# Altium PCB braking_io.PcbDoc (part 1 of 4) (continued)
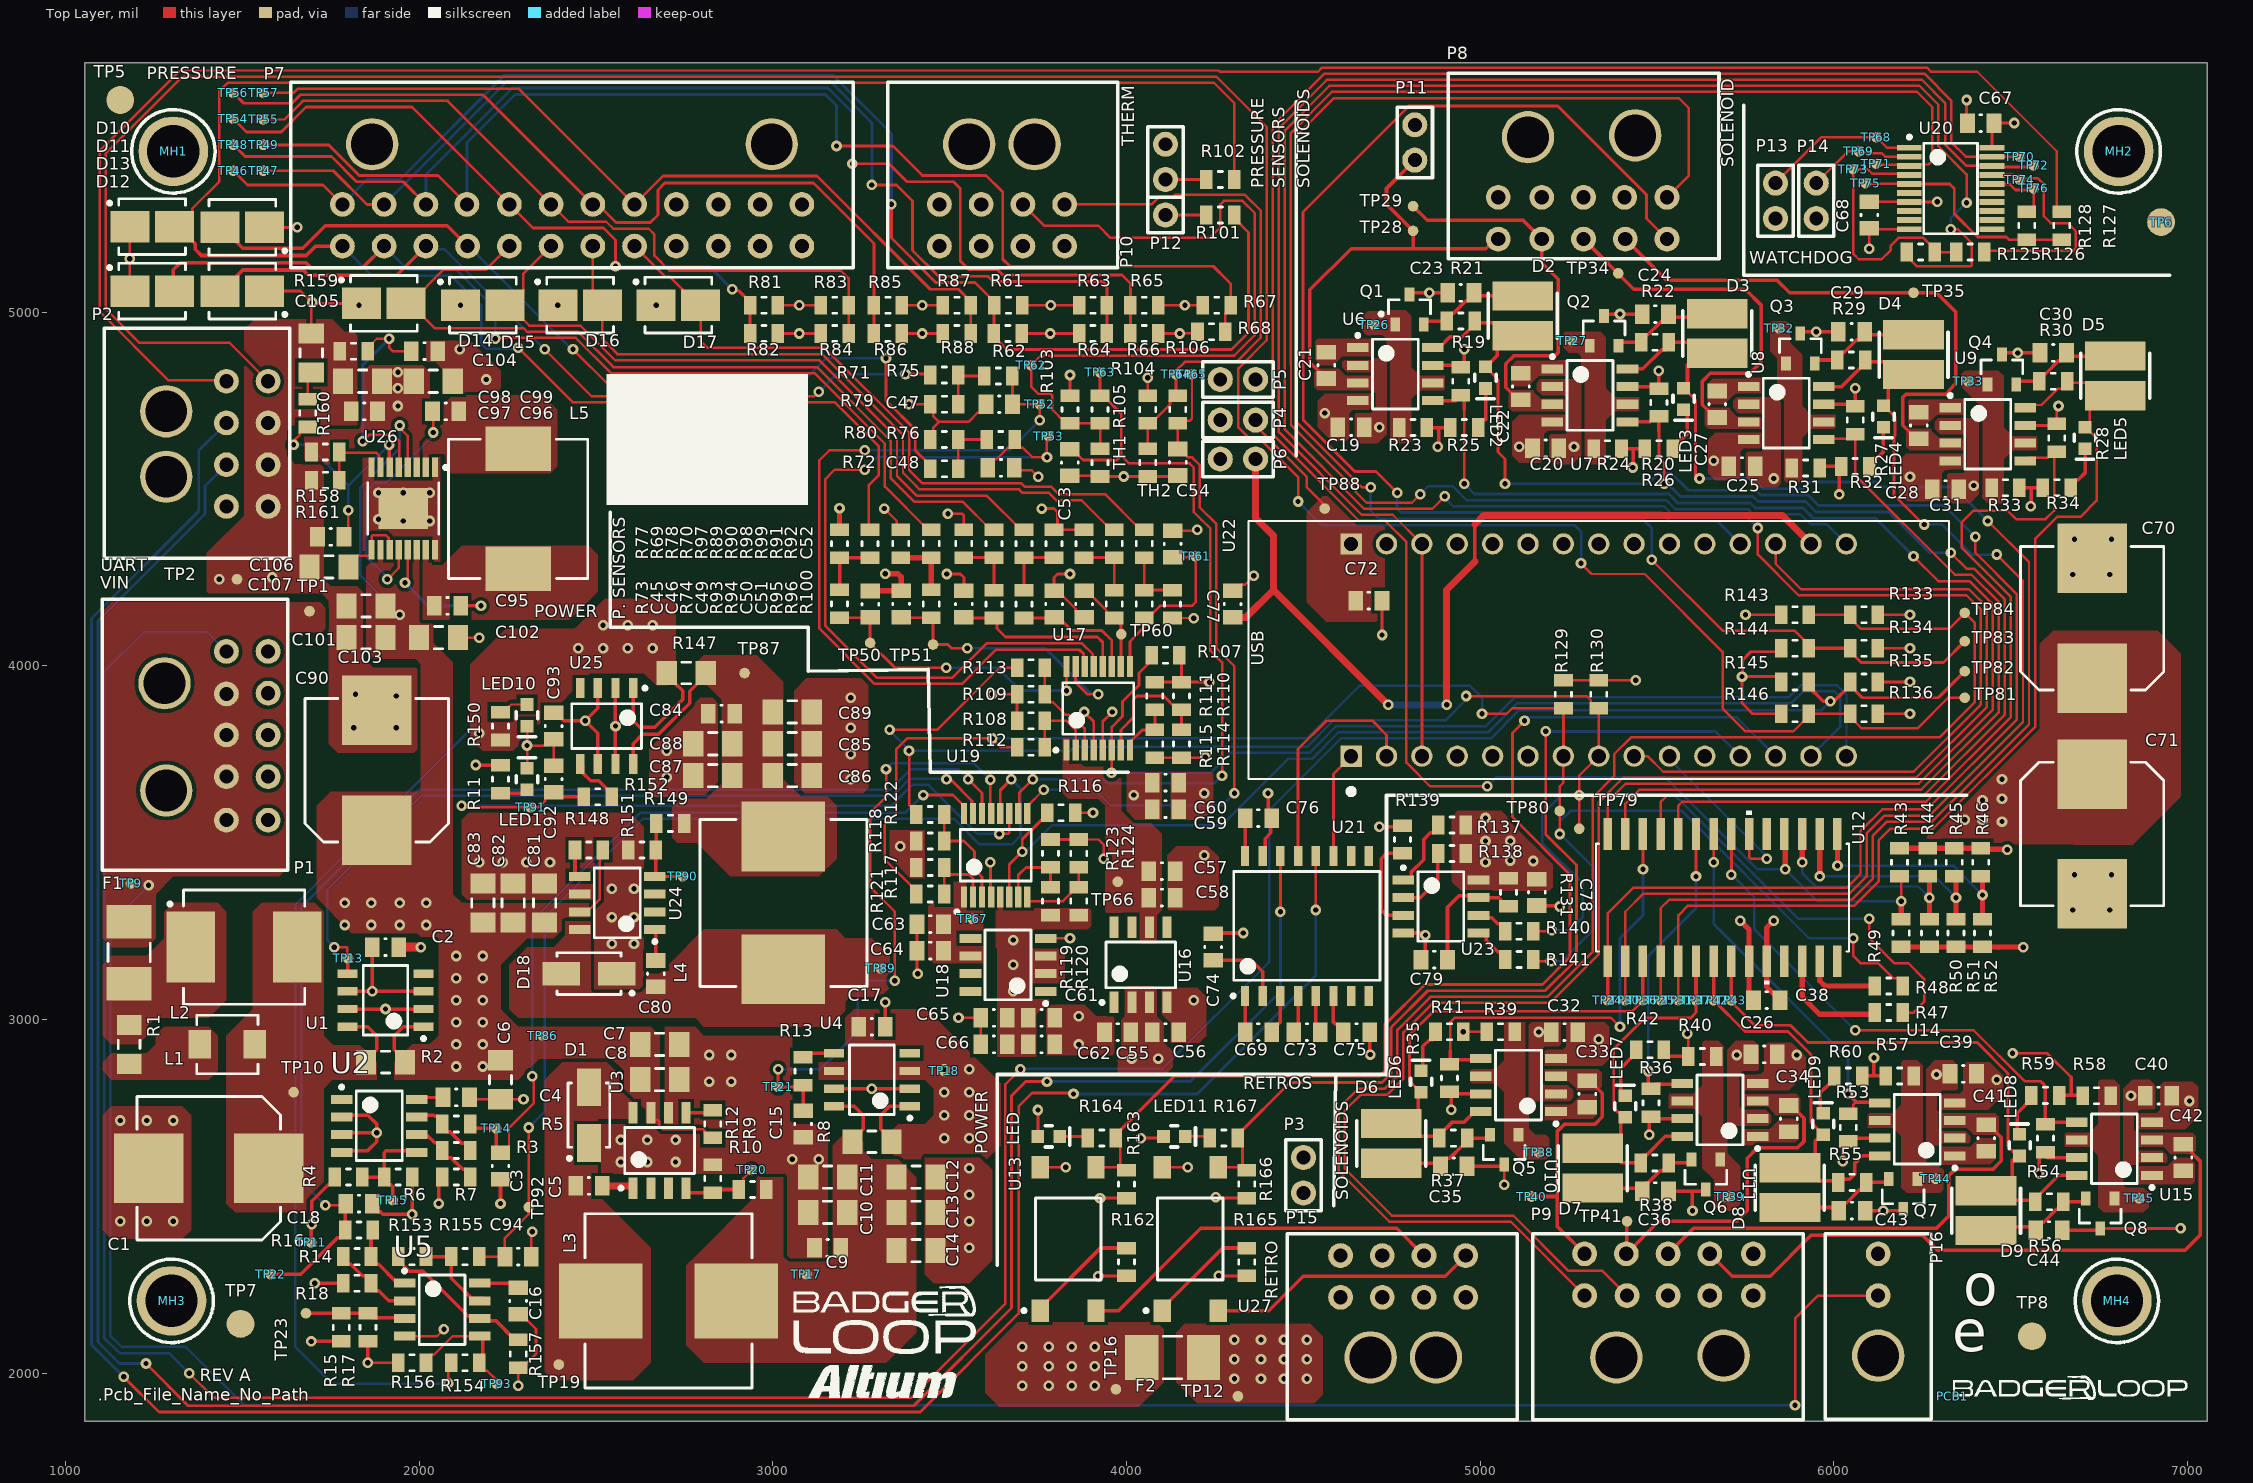
[diagram p0: Top Layer view]
## Components (designator, comment, footprint, x,y, rotation, side; value= is the part's Value field where it differs from the comment) (continued)
U26 "LTC3114-1" TSOP65P640X110_HS-17N 1955,4445 r270 top
U27 "TPC817" SOT200P1005X328-5N 4180,2380 r90 top

## Footprints (in the part's own frame and the unit in brackets; to place one, negate y for a bottom-side part, rotate by r counter-clockwise, add the part's x,y. Pads: shape width x height; smd on the part's side, far side on the other; paste and mask are expansions set on the pad)
2mm_Fiducial [mm]
  round 2 smd: 1(0,0)
430450200 [mil]
  round 70 hole 40: 1(0,170) 2(0,288)
  round 148 hole 118: 3(0,0)
  silkscreen extent -150,-180 150,345, body extent -141,-185 141,297, height 340
430450800 [mil]
  round 70 hole 40: 1(84,170) 2(-34,170) 3(-152,170) 4(-270,170) 5(84,288) 6(-34,288) 7(-152,288) 8(-270,288)
  round 148 hole 118: 9(-185,0) 9(0,0)
  silkscreen extent -420,-176 230,349, body extent -413,-180 223,302, height 340
430451000 [mil]
  round 70 hole 40: 1(84,170) 2(-39,170) 3(-157,170) 4(-273,170) 5(-393,170) 6(84,288) 7(-39,288) 8(-157,288) 9(-275,288) 10(-393,288)
  round 148 hole 118: 11(-303,-5) 11(0,0)
  silkscreen extent -540,-181 225,344, body extent -532,-180 222,302, height 340
430452400 [mil]
  round 70 hole 40: 1(84,170) 2(-34,170) 3(-152,170) 4(-268,170) 5(-388,170) 6(-506,170) 7(-624,170) 8(-742,170) 9(-860,170) 10(-979,170) 11(-1097,170) 12(-1215,170) 13(84,288) 14(-34,288) 15(-152,288) 16(-270,288) 17(-388,288) 18(-506,288) 19(-624,288) 20(-742,288) 21(-860,288) 22(-979,288) 23(-1097,288) 24(-1215,288)
  round 148 hole 118: 21(-1130,0) 21(0,0)
  silkscreen extent -1360,-176 230,349, body extent -1350,-176 231,306, height 340
CAPAE110103X126M [mm] "Aluminum Electrolytic Capacitor, Body 10.30x10.30x12.60mm, IPC Low Density"
  rect 5x5 smd: 1(-4.3,0) 2(4.3,0)
  silkscreen extent -5.15,-5.15 5.15,5.15, body extent -5.5,-5.15 5.5,5.15, height 12.6
DIOM4326X20N [mm] "Molded Diode, 2-Leads, Body 4.30x2.61mm, IPC Medium Density"
  rect 2.7x1.7 smd: 1(-2,0) 2(2,0)
  silkscreen extent -3.22,-1.5 2.3,1.52, body extent -2.52,-1.46 2.52,1.46, height 1.96
DIOM4436X26N [mm] "Molded Diode, 2-Leads, Body 4.40x3.62mm, IPC Medium Density"
  rect 2.8x2.26 smd: 1(-1.6,0) 2(1.6,0)
  silkscreen extent -3.17,-2 2.4,2, body extent -2.6,-1.97 2.6,1.97, height 2.61
INDM3838X18N [mm] "Molded Inductor, 2-Leads, Body 3.80x3.80mm, IPC Medium Density"
  rect 2.1x4.35 smd: 1(-1.425,0) 2(1.425,0)
  silkscreen extent -1.62,-2.48 1.62,2.48, body extent -2.12,-2.12 2.12,2.12, height 1.8
INDM4442X20N [mm] "Molded Inductor, 2-Leads, Body 4.40x4.20mm, IPC Medium Density"
  rect 1.6x2.05 smd: 1(-1.975,0) 2(1.975,0)
  silkscreen extent -2.2,-2.1 2.2,2.1, body extent -2.42,-2.1 2.42,2.1, height 2
INDM8682X40N [mm] "Molded Inductor, 2-Leads, Body 8.64x8.18mm, IPC Medium Density"
  rect 3.5x5.1 smd: 1(-3.825,0) 2(3.825,0)
  silkscreen extent -5.45,-4.1 4.35,4.1, body extent -4.54,-4.09 4.54,4.09, height 4
INDM120120X100N [mm] "Molded Inductor, 2-Leads, Body 12.00x12.00mm, IPC Medium Density"
  rect 5x6 smd: 1(-4.775,0) 2(4.775,0)
  silkscreen extent -6,-6 6,6, body extent -6.22,-6 6.22,6, height 10
INDM120125X75N [mm] "Molded Inductor, 2-Leads, Body 12.00x12.50mm, IPC Medium Density"
  rect 6x5.4 smd: 1(-4.85,0) 2(4.85,0)
  silkscreen extent -6,-6.25 6,6.25, body extent -6.22,-6.25 6.22,6.25, height 7.5
INDP100100X38N [mm]
  rect 3.2x4.7 smd: 1(-4.3,0) 2(4.3,0)
  silkscreen extent -5,-5 5,5, body extent -5.1,-5 5.1,5, height 3.9
"LED 0603 GREEN" [mm] "Chip Diode, 2-Leads, Body 1.60x0.80mm, IPC Medium Density"
  rect 0.9x0.95 smd: 1(-0.775,0) 2(0.775,0)
  silkscreen extent -0.25,-0.76 1.52,0.76, body extent -0.8,-0.4 0.8,0.4, height 0.8
MH [mm] "#10 Mount Hole"
  round 5 hole 3.75 unplated: 2(0,0)
  silkscreen extent -3,-3 3,3, body extent -2.32,-2.58 2.32,2.07, height 2.84
NUCLEO-L432KC [mm]
  rect 1.53x1.53 hole 1.02: 3.1(0,0) 4.1(15.24,0)
  round 1.53 hole 1.02: 3.2(0,-2.54) 3.3(0,-5.08) 3.4(0,-7.62) 3.5(0,-10.16) 3.6(0,-12.7) 3.7(0,-15.24) 3.8(0,-17.78) 3.9(0,-20.32) 3.10(0,-22.86) 3.11(0,-25.4) 3.12(0,-27.94) 3.13(0,-30.48) 3.14(0,-33.02) 3.15(0,-35.56) 4.2(15.24,-2.54) 4.3(15.24,-5.08) 4.4(15.24,-7.62) 4.5(15.24,-10.16) 4.6(15.24,-12.7) 4.7(15.24,-15.24) 4.8(15.24,-17.78) 4.9(15.24,-20.32) 4.10(15.24,-22.86) 4.11(15.24,-25.4) 4.12(15.24,-27.94) 4.13(15.24,-30.48) 4.14(15.24,-33.02) 4.15(15.24,-35.56)
  silkscreen extent -2.74,-42.92 16.89,7.36, body extent -5.13,-47.16 19.87,10.84, height 6.96
PCB [mil]
  silkscreen extent 2,-9 665,58
"Pin Header 1x2 TH Pitch 2.54mm" [mm] "PinHeader 1x2 TH Pitch 2.54mm"
  round 1.8 hole 1: 1(0,0) 2(2.54,0)
  silkscreen extent -1.27,-1.27 3.81,1.27, body extent -1.27,-1.27 3.81,1.27, height 9.5
"Pin Header 1x3 TH Pitch 2.54mm" [mm] "PinHeader 1x3 TH Pitch 2.54mm"
  round 1.8 hole 1: 1(0,0) 2(2.54,0) 3(5.08,0)
  silkscreen extent -1.27,-1.27 6.35,1.27, body extent -1.27,-1.27 6.35,1.27, height 9.5
RESC6132X26N [mm] "Chip Resistor, 2-Leads, Body 6.10x3.18mm, IPC Medium Density"
  rect 2.4x3.25 smd: 1(-2.225,0) 2(2.225,0)
  silkscreen extent -0.65,-1.52 0.65,1.53, body extent -3.05,-1.59 3.05,1.59, height 2.57
SMD-0805-RES [mm]
  rect 0.9x1.35 smd: 1(-1,0) 2(1,0)
  silkscreen extent -0.15,-0.58 0.15,0.58, body extent -1.1,-0.67 1.1,0.67, height 0.5
SMD-0805C [mm]
  rect 1.05x1.4 smd: 1(-0.95,0) 2(0.95,0)
  silkscreen extent -0.05,-0.6 0.05,0.6, body extent -1.1,-0.67 1.1,0.67, height 0.5
SMD-1206-RES [mm]
  rect 1.45x1.75 smd: 1(-1.4,0) 2(1.4,0)
  silkscreen extent -0.3,-0.77 0.3,0.77, body extent -1.78,-0.87 1.78,0.87, height 0.5
SMD-1206C [mm]
  rect 1.45x1.8 smd: 1(-1.4,0) 2(1.4,0)
  silkscreen extent -0.3,-0.8 0.3,0.8, body extent -1.78,-0.87 1.78,0.87, height 0.5
SOIC28-W_MC-M [mil]
  rect 90x24 smd paste+0 mask+0: 1(-180,325) 2(-180,275) 3(-180,225) 4(-180,175) 5(-180,125) 6(-180,75) 7(-180,25) 8(-180,-25) 9(-180,-75) 10(-180,-125) 11(-180,-175) 12(-180,-225) 13(-180,-275) 14(-180,-325) 15(180,-325) 16(180,-275) 17(180,-225) 18(180,-175) 19(180,-125) 20(180,-75) 21(180,-25) 22(180,25) 23(180,75) 24(180,125) 25(180,175) 26(180,225) 27(180,275) 28(180,325)
  silkscreen extent -245,-358 245,358, body extent -203,-353 203,353, height 104
SOIC127P600X175-8N [mm] "SOIC, 8-Leads, Body 4.90x3.90mm, Pitch 1.27mm, IPC Medium Density"
  rect 1.45x0.6 smd: 1(-2.725,1.905) 2(-2.725,0.635) 3(-2.725,-0.635) 4(-2.725,-1.905) 5(2.725,-1.905) 6(2.725,-0.635) 7(2.725,0.635) 8(2.725,1.905)
  silkscreen extent -2.85,-2.5 1.6,2.88, body extent -2,-2.5 2,2.5, height 1.75
SOP65P640X175-20N [mm] "SOP, 20-Leads, Body 6.50x4.40mm, Pitch 0.65mm, IPC Medium Density"
  rect 1.78x0.42 smd: 1(-2.97,2.925) 2(-2.97,2.275) 3(-2.97,1.625) 4(-2.97,0.975) 5(-2.97,0.325) 6(-2.97,-0.325) 7(-2.97,-0.975) 8(-2.97,-1.625) 9(-2.97,-2.275) 10(-2.97,-2.925) 11(2.97,-2.925) 12(2.97,-2.275) 13(2.97,-1.625) 14(2.97,-0.975) 15(2.97,-0.325) 16(2.97,0.325) 17(2.97,0.975) 18(2.97,1.625) 19(2.97,2.275) 20(2.97,2.925)
  silkscreen extent -3.09,-3.25 1.92,3.81, body extent -3.2,-3.25 3.2,3.25, height 1.75
SOP127P600X175-8N#1 [mm] "SOP, 8-Leads, Body 4.91x3.90mm, Pitch 1.27mm, IPC Medium Density"
  rect 1.55x0.65 smd: 1IN+(-2.7,-0.635) 1IN-(-2.7,0.635) 1OUT(-2.7,1.905) 2IN+(2.7,-1.905) 2IN-(2.7,-0.635) 20UT(2.7,0.635) GND(-2.7,-1.905) VCC+(2.7,1.905)
  silkscreen extent -2.82,-2.5 1.65,2.9, body extent -3,-2.5 3,2.5, height 1.75
SOP127P600X175-8N#2 [mm] "SOP, 8-Leads, Body 4.91x3.90mm, Pitch 1.27mm, IPC Medium Density"
  rect 1.55x0.65 smd: 1(-2.7,1.905) 2(-2.7,0.635) 3(-2.7,-0.635) 4(-2.7,-1.905) 5(2.7,-1.905) 6(2.7,-0.635) 7(2.7,0.635) 8(2.7,1.905)
  silkscreen extent -2.82,-2.5 1.65,2.9, body extent -3,-2.5 3,2.5, height 1.75
SOP127P600X175-8N#3 [mm] "SOP, 8-Leads, Body 4.91x3.90mm, Pitch 1.27mm, IPC Medium Density"
  rect 1.55x0.65 smd: 1IN+(-2.7,-0.635) 1IN-(-2.7,0.635) 2IN+(2.7,-1.905) 2IN-(2.7,-0.635) 2OUT(2.7,0.635) 4(-2.7,-1.905) OUT(-2.7,1.905) VCC+(2.7,1.905)
  silkscreen extent -2.82,-2.5 1.65,2.9, body extent -3,-2.5 3,2.5, height 1.75
SOP127P1060X175-16N [mm] "SOP, 16-Leads, Body 10.50x7.50mm, Pitch 1.27mm, IPC Medium Density"
  rect 1.45x0.6 smd: 1(-5.025,4.445) 2(-5.025,3.175) 3(-5.025,1.905) 4(-5.025,0.635) 5(-5.025,-0.635) 6(-5.025,-1.905) 7(-5.025,-3.175) 8(-5.025,-4.445) 9(5.025,-4.445) 10(5.025,-3.175) 11(5.025,-1.905) 12(5.025,-0.635) 13(5.025,0.635) 14(5.025,1.905) 15(5.025,3.175) 16(5.025,4.445)
  silkscreen extent -5.15,-5.25 3.9,5.42, body extent -5.32,-5.25 5.32,5.25, height 1.75
SOT200P1005X328-5N [mm] "SOT23, 5-Leads, Body 4.60x10.05mm, Pitch 2.00mm, IPC Medium Density"
  rect 1.6x1.25 smd: 1(-5.15,2) 2(-5.15,-2) 3(5.15,-2) 4(5.15,2)
  silkscreen extent -5.27,-2.35 2.95,3.3, body extent -5.15,-2.62 5.15,2.63, height 3.28
SOTFL103P240X110-3N [mm]
  rect 1x0.7 smd: 1(0.576,2.681) 2(0.576,0.621) 3(2.726,1.651)
  silkscreen extent 1.2,0.15 2.35,3.81, body extent 0.45,0.15 2.85,3.15, height 1.1
"Test Point" [mil] "SMD Test Point"
  round 30 smd: 1(0,0)
TSOP65P640X110_HS-17N [mm] "TSOP, 16-Leads, Body 5.00x4.40mm, Pitch 0.65mm, Thermal Pad 3.58x2.94mm, IPC Medium Density"
  rect 1.4x0.45 smd: 1(-2.95,2.275) 2(-2.95,1.625) 3(-2.95,0.975) 4(-2.95,0.325) 5(-2.95,-0.325) 6(-2.95,-0.975) 7(-2.95,-1.625) 8(-2.95,-2.275) 9(2.95,-2.275) 10(2.95,-1.625) 11(2.95,-0.975) 12(2.95,-0.325) 13(2.95,0.325) 14(2.95,0.975) 15(2.95,1.625) 16(2.95,2.275)
  rect 2.94x3.58 smd: 1(0,0)
  silkscreen extent -3.07,-2.55 1.85,3.17, body extent -3.2,-2.55 3.2,2.55, height 1.1
TSOP65P660X120-16N [mm] "TSOP, 16-Leads, Body 5.00x4.40mm, Pitch 0.65mm, IPC Medium Density"
  rect 1.5x0.45 smd: 1(-3,2.275) 2(-3,1.625) 3(-3,0.975) 4(-3,0.325) 5(-3,-0.325) 6(-3,-0.975) 7(-3,-1.625) 8(-3,-2.275) 9(3,-2.275) 10(3,-1.625) 11(3,-0.975) 12(3,-0.325) 13(3,0.325) 14(3,0.975) 15(3,1.625) 16(3,2.275)
  silkscreen extent -3.12,-2.55 1.85,3.17, body extent -3.3,-2.55 3.3,2.55, height 1.2

## Part data
C1 C70 C71 C90: "CAP ALUM POLY 100UF 20% 63V SMD", Capacitance=100uF, Case/Package=Radial, ESR (Equivalent Series Resistance)=24mR, Leakage Current=3uA, Manufacturer=Nichicon, Max Operating Temperature=125°C, Min Operating Temperature=-55°C, Package Quantity=1, Ripple Current=3A, Supplier Part Number 1=493-13783-1-ND, Tolerance=20%, Voltage=63V, ComponentLink1Description=https://datasheet.ciiva.com/29551/e-ch-ta-29551389.pdf?src-supplier=Digi-Key, ComponentLink1URL=https://datasheet.ciiva.com/29551/e-ch-ta-29551389.pdf?src-supplier=Digi-Key, ComponentLink2Description=https://datasheet.ciiva.com/29551/e-ch-ta-29551390.pdf?src-supplier=Digi-Key, ComponentLink2URL=https://datasheet.ciiva.com/29551/e-ch-ta-29551390.pdf?src-supplier=Digi-Key, ComponentLink3Description=https://datasheet.ciiva.com/29551/e-ch-ta-29551391.pdf?src-supplier=Digi-Key, ComponentLink3URL=https://datasheet.ciiva.com/29551/e-ch-ta-29551391.pdf?src-supplier=Digi-Key, Depth=10.3mm, Diameter=10mm, Dissipation Factor=0.08%, Height=12.7mm, Height - Seated (Max)=0.504inch, Lead Free="Lead Free", Lead Pitch=4.6mm, Length=12.7mm, Life (Hours)=4000Hour, Manufacturer Part Number=PCR1J101MCL1GS, Mount="Surface Mount,PCB", Packaging="Tape and Reel", Pricing 1="1=3.63000, 10=2.92800, 100=2.28380 (USD)", RoHS=Yes, Stock 1=11476, Supplier 1=Digi-Key, Termination=SMD/SMT, Voltage Rating=63V, Voltage Rating (DC)=63V, Weight=0.045856oz
C2 C4 C9 C16 C17 C19 C20 C21 C22 C25 C26 C27 C28 C31 C32 C33 C34 C39 C40 C41 C42 C84 C93: library part GRM21B7U1A104JA01L, "CAP CER 0.1UF 10V U2J 0805", Digi-Key Part Number=490-11592-1-ND, Manufacturer="Murata Electronics North America", Operating Temperature="-55°C ~ 125°C", Package / Case="0805 (2012 Metric)", Ratings=-, Temperature Coefficient=U2J, Tolerance=±5%, Voltage=10V, @ qty=0, Applications="General Purpose", Datasheets=http://www.murata.com/~/media/webrenewal/support/library/catalog/products/capacitor/mlcc/c02e.pdf, Factory Stock=0, Features=-, Height - Seated (Max)=-, Image=//media.digikey.com/Renders/Murata%20Renders/0805%20(2012%20Metric)%20.85mm.jpg, Lead Spacing=-, Lead Style=-, Minimum Quantity=1, Mounting Type="Surface Mount, MLCC", Packaging="Cut Tape (CT)", Part Number=GRM21B7U1A104JA01L, Part Status=Active, Quantity Available=3390, Series=GRM, Size / Dimension="0.079\" L x 0.049\" W (2.00mm x 1.25mm)", Thickness (Max)="0.053\" (1.35mm)", Unit Price (USD)=0.4
C3 C15 C18 C53 C54 C92 C94: library part GRM219R71C104KA01D, "CAP CER 0.1UF 16V X7R 0805", Digi-Key Part Number=490-1683-1-ND, Manufacturer="Murata Electronics North America", Operating Temperature="-55°C ~ 125°C", Package / Case="0805 (2012 Metric)", Ratings=-, Temperature Coefficient=X7R, Tolerance=±10%, Voltage=16V, @ qty=0, Applications="General Purpose", Datasheets=http://www.murata.com/~/media/webrenewal/support/library/catalog/products/capacitor/mlcc/c02e.pdf, Factory Stock=0, Features=-, Height - Seated (Max)=-, Image=//media.digikey.com/Renders/Murata%20Renders/0805%20(2012%20Metric)%20.85mm.jpg, Lead Spacing=-, Lead Style=-, Minimum Quantity=1, Mounting Type="Surface Mount, MLCC", Packaging="Cut Tape (CT)", Part Number=GRM219R71C104KA01D, Part Status=Active, Quantity Available=265464, Series=GRM, Size / Dimension="0.079\" L x 0.049\" W (2.00mm x 1.25mm)", Thickness (Max)="0.037\" (0.95mm)", Unit Price (USD)=0.13
C5 C80: library part GC321AD72E103KX01D, "CAP CER 10000PF 250V X7T 0805", Digi-Key Part Number=490-13986-1-ND, Manufacturer="Murata Electronics North America", Operating Temperature="-55°C ~ 125°C", Package / Case="0805 (2012 Metric)", Ratings=AEC-Q200, Temperature Coefficient=X7T, Tolerance=±10%, Voltage=250V, @ qty=0, Applications=Automotive, Datasheets=http://search.murata.co.jp/Ceramy/image/img/A01X/G101/ENG/GC321AD72E103KX01-01.pdf, Factory Stock=0, Features=-, Height - Seated (Max)=-, Image=//media.digikey.com/Renders/Murata%20Renders/0805(GC3)200x125.jpg, Lead Spacing=-, Lead Style=-, Minimum Quantity=1, Mounting Type="Surface Mount, MLCC", Packaging="Cut Tape (CT)", Part Number=GC321AD72E103KX01D, Part Status=Active, Quantity Available=4000, Series=GC3, Size / Dimension="0.079\" L x 0.049\" W (2.00mm x 1.25mm)", Thickness (Max)="0.039\" (1.00mm)", Unit Price (USD)=0.3
C6 C10 C11 C12 C13 C14 C81 C85 C86 C87 C88 C89: library part GRT31CR61E226ME01L, "CAP CER 22UF 25V X5R 1206", Digi-Key Part Number=490-12451-1-ND, Manufacturer="Murata Electronics North America", Operating Temperature="-55°C ~ 85°C", Package / Case="1206 (3216 Metric)", Ratings=AEC-Q200, Temperature Coefficient=X5R, Tolerance=±20%, Voltage=25V, @ qty=0, Applications=Automotive, Datasheets=http://search.murata.co.jp/Ceramy/image/img/A01X/G101/ENG/GRT31CR61E226ME01-01.pdf, Factory Stock=0, Features=-, Height - Seated (Max)=-, Image=//media.digikey.com/Renders/Murata%20Renders/GR331BD72E473KW01L.jpg, Lead Spacing=-, Lead Style=-, Minimum Quantity=1, Mounting Type="Surface Mount, MLCC", Packaging="Cut Tape (CT)", Part Number=GRT31CR61E226ME01L, Part Status=Active, Quantity Available=4719, Series=GRT, Size / Dimension="0.126\" L x 0.063\" W (3.20mm x 1.60mm)", Thickness (Max)="0.071\" (1.80mm)", Unit Price (USD)=0.52
C7 C8 C82 C83 C107: library part GCM31CC71H475KA03L, "CAP CER 4.7UF 50V X7S 1206", Digi-Key Part Number=490-11167-1-ND, Manufacturer="Murata Electronics North America", Operating Temperature="-55°C ~ 125°C", Package / Case="1206 (3216 Metric)", Ratings=AEC-Q200, Temperature Coefficient=X7S, Tolerance=±10%, Voltage=50V, @ qty=0, Applications=Automotive, Datasheets=http://www.murata.com/~/media/webrenewal/support/library/catalog/products/capacitor/mlcc/c03e.ashx, Factory Stock=0, Features=-, Height - Seated (Max)=-, Image=//media.digikey.com/Renders/Murata%20Renders/GR331BD72E473KW01L.jpg, Lead Spacing=-, Lead Style=-, Minimum Quantity=1, Mounting Type="Surface Mount, MLCC", Packaging="Cut Tape (CT)", Part Number=GCM31CC71H475KA03L, Part Status=Active, Quantity Available=11700, Series=GCM, Size / Dimension="0.126\" L x 0.063\" W (3.20mm x 1.60mm)", Thickness (Max)="0.071\" (1.80mm)", Unit Price (USD)=0.57
C23 C24 C29 C30 C35 C36 C43 C44: library part LLA215R71A224MA14L, "CAP CER 0.22UF 10V X7R 0805", Digi-Key Part Number=490-4432-1-ND, Manufacturer="Murata Electronics North America", Operating Temperature="-55°C ~ 125°C", Package / Case="0805 (2012 Metric)", Ratings=-, Temperature Coefficient=X7R, Tolerance=±20%, Voltage=10V, @ qty=0, Applications="Bypass, Decoupling", Datasheets=http://www.murata.com/~/media/webrenewal/support/library/catalog/products/capacitor/mlcc/c02e.pdf, Factory Stock=0, Features="Low ESL (Multi-Terminal)", Height - Seated (Max)=-, Image=//media.digikey.com/Renders/Murata%20Renders/0805-LLA.jpg, Lead Spacing=-, Lead Style=-, Minimum Quantity=1, Mounting Type="Surface Mount, MLCC", Packaging="Cut Tape (CT)", Part Number=LLA215R71A224MA14L, Part Status=Active, Quantity Available=9914, Series=LLA, Size / Dimension="0.079\" L x 0.049\" W (2.00mm x 1.25mm)", Thickness (Max)="0.022\" (0.55mm)", Unit Price (USD)=0.36
C38: library part GRM21BR60J475KA11L, "CAP CER 4.7UF 6.3V X5R 0805", Digi-Key Part Number=490-9749-1-ND, Manufacturer="Murata Electronics North America", Operating Temperature="-55°C ~ 85°C", Package / Case="0805 (2012 Metric)", Ratings=-, Temperature Coefficient=X5R, Tolerance=±10%, Voltage=6.3V, @ qty=0, Applications="General Purpose", Datasheets=http://www.murata.com/~/media/webrenewal/support/library/catalog/products/capacitor/mlcc/c02e.pdf, Factory Stock=0, Features=-, Height - Seated (Max)=-, Image=//media.digikey.com/Renders/Murata%20Renders/0805%20(2012%20Metric)%20.85mm.jpg, Lead Spacing=-, Lead Style=-, Minimum Quantity=1, Mounting Type="Surface Mount, MLCC", Packaging="Cut Tape (CT)", Part Number=GRM21BR60J475KA11L, Part Status=Active, Quantity Available=2821, Series=GRM, Size / Dimension="0.079\" L x 0.049\" W (2.00mm x 1.25mm)", Thickness (Max)="0.055\" (1.40mm)", Unit Price (USD)=0.28
C45 C46 C47 C48 C49 C50 C51 C52 C67 C68 C76: library part GRM219R71E104KA01D, "CAP CER 0.1UF 25V X7R 0805", Digi-Key Part Number=490-12754-1-ND, Manufacturer="Murata Electronics North America", Operating Temperature="-55°C ~ 125°C", Package / Case="0805 (2012 Metric)", Ratings=-, Temperature Coefficient=X7R, Tolerance=±10%, Voltage=25V, @ qty=0, Applications="General Purpose", Datasheets=http://www.murata.com/~/media/webrenewal/support/library/catalog/products/capacitor/mlcc/c02e.pdf, Factory Stock=0, Features=-, Height - Seated (Max)=-, Image=//media.digikey.com/Renders/Murata%20Renders/0805%20(2012%20Metric)%20.85mm.jpg, Lead Spacing=-, Lead Style=-, Minimum Quantity=1, Mounting Type="Surface Mount, MLCC", Packaging="Cut Tape (CT)", Part Number=GRM219R71E104KA01D, Part Status=Active, Quantity Available=8594, Series=GRM, Size / Dimension="0.079\" L x 0.049\" W (2.00mm x 1.25mm)", Thickness (Max)="0.037\" (0.95mm)", Unit Price (USD)=0.12
C55 C57 C59 C61 C63 C65 C72 C77 C78 C79: library part GRM21BR71H105KA12L, "CAP CER 1UF 50V X7R 0805", Digi-Key Part Number=490-4736-1-ND, Manufacturer="Murata Electronics North America", Operating Temperature="-55°C ~ 125°C", Package / Case="0805 (2012 Metric)", Ratings=-, Temperature Coefficient=X7R, Tolerance=±10%, Voltage=50V, @ qty=0, Applications="General Purpose", Datasheets=http://www.murata.com/~/media/webrenewal/support/library/catalog/products/capacitor/mlcc/c02e.pdf, Factory Stock=0, Features=-, Height - Seated (Max)=-, Image=//media.digikey.com/Renders/Murata%20Renders/0805%20(2012%20Metric)%20.85mm.jpg, Lead Spacing=-, Lead Style=-, Minimum Quantity=1, Mounting Type="Surface Mount, MLCC", Packaging="Cut Tape (CT)", Part Number=GRM21BR71H105KA12L, Part Status=Active, Quantity Available=988032, Series=GRM, Size / Dimension="0.079\" L x 0.049\" W (2.00mm x 1.25mm)", Thickness (Max)="0.053\" (1.35mm)", Unit Price (USD)=0.25
C56 C58 C60 C62 C64 C66: library part GCD21BR71H104KA01L, "CAP CER 0.1UF 50V X7R 0805", Digi-Key Part Number=490-11955-1-ND, Manufacturer="Murata Electronics North America", Operating Temperature="-55°C ~ 125°C", Package / Case="0805 (2012 Metric)", Ratings=AEC-Q200, Temperature Coefficient=X7R, Tolerance=±10%, Voltage=50V, @ qty=0, Applications=Automotive, Datasheets=http://www.murata.com/~/media/webrenewal/support/library/catalog/products/capacitor/mlcc/c03e.ashx, Factory Stock=0, Features=-, Height - Seated (Max)=-, Image=//media.digikey.com/Renders/Murata%20Renders/0805%28GxM6%29.jpg, Lead Spacing=-, Lead Style=-, Minimum Quantity=1, Mounting Type="Surface Mount, MLCC", Packaging="Cut Tape (CT)", Part Number=GCD21BR71H104KA01L, Part Status=Active, Quantity Available=157, Series=GCD, Size / Dimension="0.079\" L x 0.049\" W (2.00mm x 1.25mm)", Thickness (Max)="0.049\" (1.25mm)", Unit Price (USD)=0.24
C69 C73 C74 C75: library part GRM219R71C104JA01D, "CAP CER 0.1UF 16V X7R 0805", Digi-Key Part Number=490-12557-1-ND, Manufacturer="Murata Electronics North America", Operating Temperature="-55°C ~ 125°C", Package / Case="0805 (2012 Metric)", Ratings=-, Temperature Coefficient=X7R, Tolerance=±5%, Voltage=16V, @ qty=0, Applications="General Purpose", Datasheets=-, Factory Stock=0, Features=-, Height - Seated (Max)=-, Image=//media.digikey.com/Renders/Murata%20Renders/0805%20(2012%20Metric)%20.85mm.jpg, Lead Spacing=-, Lead Style=-, Minimum Quantity=1, Mounting Type="Surface Mount, MLCC", Packaging="Cut Tape (CT)", Part Number=GRM219R71C104JA01D, Part Status=Active, Quantity Available=6635, Series=GRM, Size / Dimension="0.079\" L x 0.049\" W (2.00mm x 1.25mm)", Thickness (Max)="0.037\" (0.95mm)", Unit Price (USD)=0.12
C95 C96: library part GCJ21BR71H683KA01L, "CAP CER 0.068UF 50V X7R 0805", Digi-Key Part Number=490-5807-1-ND, Manufacturer="Murata Electronics North America", Operating Temperature="-55°C ~ 125°C", Package / Case="0805 (2012 Metric)", Ratings=AEC-Q200, Temperature Coefficient=X7R, Tolerance=±10%, Voltage=50V, @ qty=0, Applications="Automotive, Boardflex Sensitive", Datasheets=http://www.murata.com/~/media/webrenewal/support/library/catalog/products/capacitor/mlcc/c03e.ashx, Factory Stock=0, Features="Soft Termination", Height - Seated (Max)=-, Image=//media.digikey.com/Renders/Murata%20Renders/0805%20(2012%20Metric)%20.85mm.jpg, Lead Spacing=-, Lead Style=-, Minimum Quantity=1, Mounting Type="Surface Mount, MLCC", Packaging="Cut Tape (CT)", Part Number=GCJ21BR71H683KA01L, Part Status=Active, Quantity Available=4490, Series=GCJ, Size / Dimension="0.079\" L x 0.049\" W (2.00mm x 1.25mm)", Thickness (Max)="0.057\" (1.45mm)", Unit Price (USD)=0.24
C97: library part GCJ21BR71H105KA01L, "CAP CER 1UF 50V X7R 0805", Digi-Key Part Number=490-10667-1-ND, Manufacturer="Murata Electronics North America", Operating Temperature="-55°C ~ 125°C", Package / Case="0805 (2012 Metric)", Ratings=AEC-Q200, Temperature Coefficient=X7R, Tolerance=±10%, Voltage=50V, @ qty=0, Applications="Automotive, Boardflex Sensitive", Datasheets=http://www.murata.com/~/media/webrenewal/support/library/catalog/products/capacitor/mlcc/c03e.ashx, Factory Stock=0, Features="Soft Termination", Height - Seated (Max)=-, Image=//media.digikey.com/Renders/Murata%20Renders/0805%20(2012%20Metric)%20.85mm.jpg, Lead Spacing=-, Lead Style=-, Minimum Quantity=1, Mounting Type="Surface Mount, MLCC", Packaging="Cut Tape (CT)", Part Number=GCJ21BR71H105KA01L, Part Status=Active, Quantity Available=55137, Series=GCJ, Size / Dimension="0.079\" L x 0.049\" W (2.00mm x 1.25mm)", Thickness (Max)="0.057\" (1.45mm)", Unit Price (USD)=0.33
C98 C99: library part GRM31CR61E226KE15L, "CAP CER 22UF 25V X5R 1206", Digi-Key Part Number=490-5527-1-ND, Manufacturer="Murata Electronics North America", Operating Temperature="-55°C ~ 85°C", Package / Case="1206 (3216 Metric)", Ratings=-, Temperature Coefficient=X5R, Tolerance=±10%, Voltage=25V, @ qty=0, Applications="General Purpose", Datasheets=http://www.murata.com/~/media/webrenewal/support/library/catalog/products/capacitor/mlcc/c02e.pdf, Factory Stock=0, Features=-, Height - Seated (Max)=-, Image=//media.digikey.com/Renders/Murata%20Renders/GR331BD72E473KW01L.jpg, Lead Spacing=-, Lead Style=-, Minimum Quantity=1, Mounting Type="Surface Mount, MLCC", Packaging="Cut Tape (CT)", Part Number=GRM31CR61E226KE15L, Part Status=Active, Quantity Available=524412, Series=GRM, Size / Dimension="0.126\" L x 0.063\" W (3.20mm x 1.60mm)", Thickness (Max)="0.071\" (1.80mm)", Unit Price (USD)=0.56
C101 C102 C105: library part GRM31CR61H106KA12L, "CAP CER 10UF 50V X5R 1206", Digi-Key Part Number=490-5961-1-ND, Manufacturer="Murata Electronics North America", Operating Temperature="-55°C ~ 85°C", Package / Case="1206 (3216 Metric)", Ratings=-, Temperature Coefficient=X5R, Tolerance=±10%, Voltage=50V, @ qty=0, Applications="General Purpose", Datasheets=http://www.murata.com/~/media/webrenewal/support/library/catalog/products/capacitor/mlcc/c02e.pdf, Factory Stock=0, Features=-, Height - Seated (Max)=-, Image=//media.digikey.com/Renders/Murata%20Renders/GR331BD72E473KW01L.jpg, Lead Spacing=-, Lead Style=-, Minimum Quantity=1, Mounting Type="Surface Mount, MLCC", Packaging="Cut Tape (CT)", Part Number=GRM31CR61H106KA12L, Part Status=Active, Quantity Available=86736, Series=GRM, Size / Dimension="0.126\" L x 0.063\" W (3.20mm x 1.60mm)", Thickness (Max)="0.071\" (1.80mm)", Unit Price (USD)=0.65
C103: library part GCJ31MR71H105KA12L, "CAP CER 1UF 50V X7R 1206", Digi-Key Part Number=490-5810-1-ND, Manufacturer="Murata Electronics North America", Operating Temperature="-55°C ~ 125°C", Package / Case="1206 (3216 Metric)", Ratings=AEC-Q200, Temperature Coefficient=X7R, Tolerance=±10%, Voltage=50V, @ qty=0, Applications="Automotive, Boardflex Sensitive", Datasheets=http://www.murata.com/~/media/webrenewal/support/library/catalog/products/capacitor/mlcc/c03e.ashx, Factory Stock=0, Features="Soft Termination", Height - Seated (Max)=-, Image=//media.digikey.com/Renders/Murata%20Renders/GR331BD72E473KW01L.jpg, Lead Spacing=-, Lead Style=-, Minimum Quantity=1, Mounting Type="Surface Mount, MLCC", Packaging="Cut Tape (CT)", Part Number=GCJ31MR71H105KA12L, Part Status=Active, Quantity Available=38710, Series=GCJ, Size / Dimension="0.126\" L x 0.063\" W (3.20mm x 1.60mm)", Thickness (Max)="0.053\" (1.35mm)", Unit Price (USD)=0.32
C104: library part GC321AD72E153KX01D, "CAP CER 0.015UF 250V X7T 0805", Digi-Key Part Number=490-13987-1-ND, Manufacturer="Murata Electronics North America", Operating Temperature="-55°C ~ 125°C", Package / Case="0805 (2012 Metric)", Ratings=AEC-Q200, Temperature Coefficient=X7T, Tolerance=±10%, Voltage=250V, @ qty=0, Applications=Automotive, Datasheets=http://search.murata.co.jp/Ceramy/image/img/A01X/G101/ENG/GC321AD72E153KX01-01.pdf, Factory Stock=0, Features=-, Height - Seated (Max)=-, Image=//media.digikey.com/Renders/Murata%20Renders/0805(GC3)200x125.jpg, Lead Spacing=-, Lead Style=-, Minimum Quantity=1, Mounting Type="Surface Mount, MLCC", Packaging="Cut Tape (CT)", Part Number=GC321AD72E153KX01D, Part Status=Active, Quantity Available=4000, Series=GC3, Size / Dimension="0.079\" L x 0.049\" W (2.00mm x 1.25mm)", Thickness (Max)="0.039\" (1.00mm)", Unit Price (USD)=0.27